# Altium PCB source.PcbDoc (part 2 of 2) (continued)
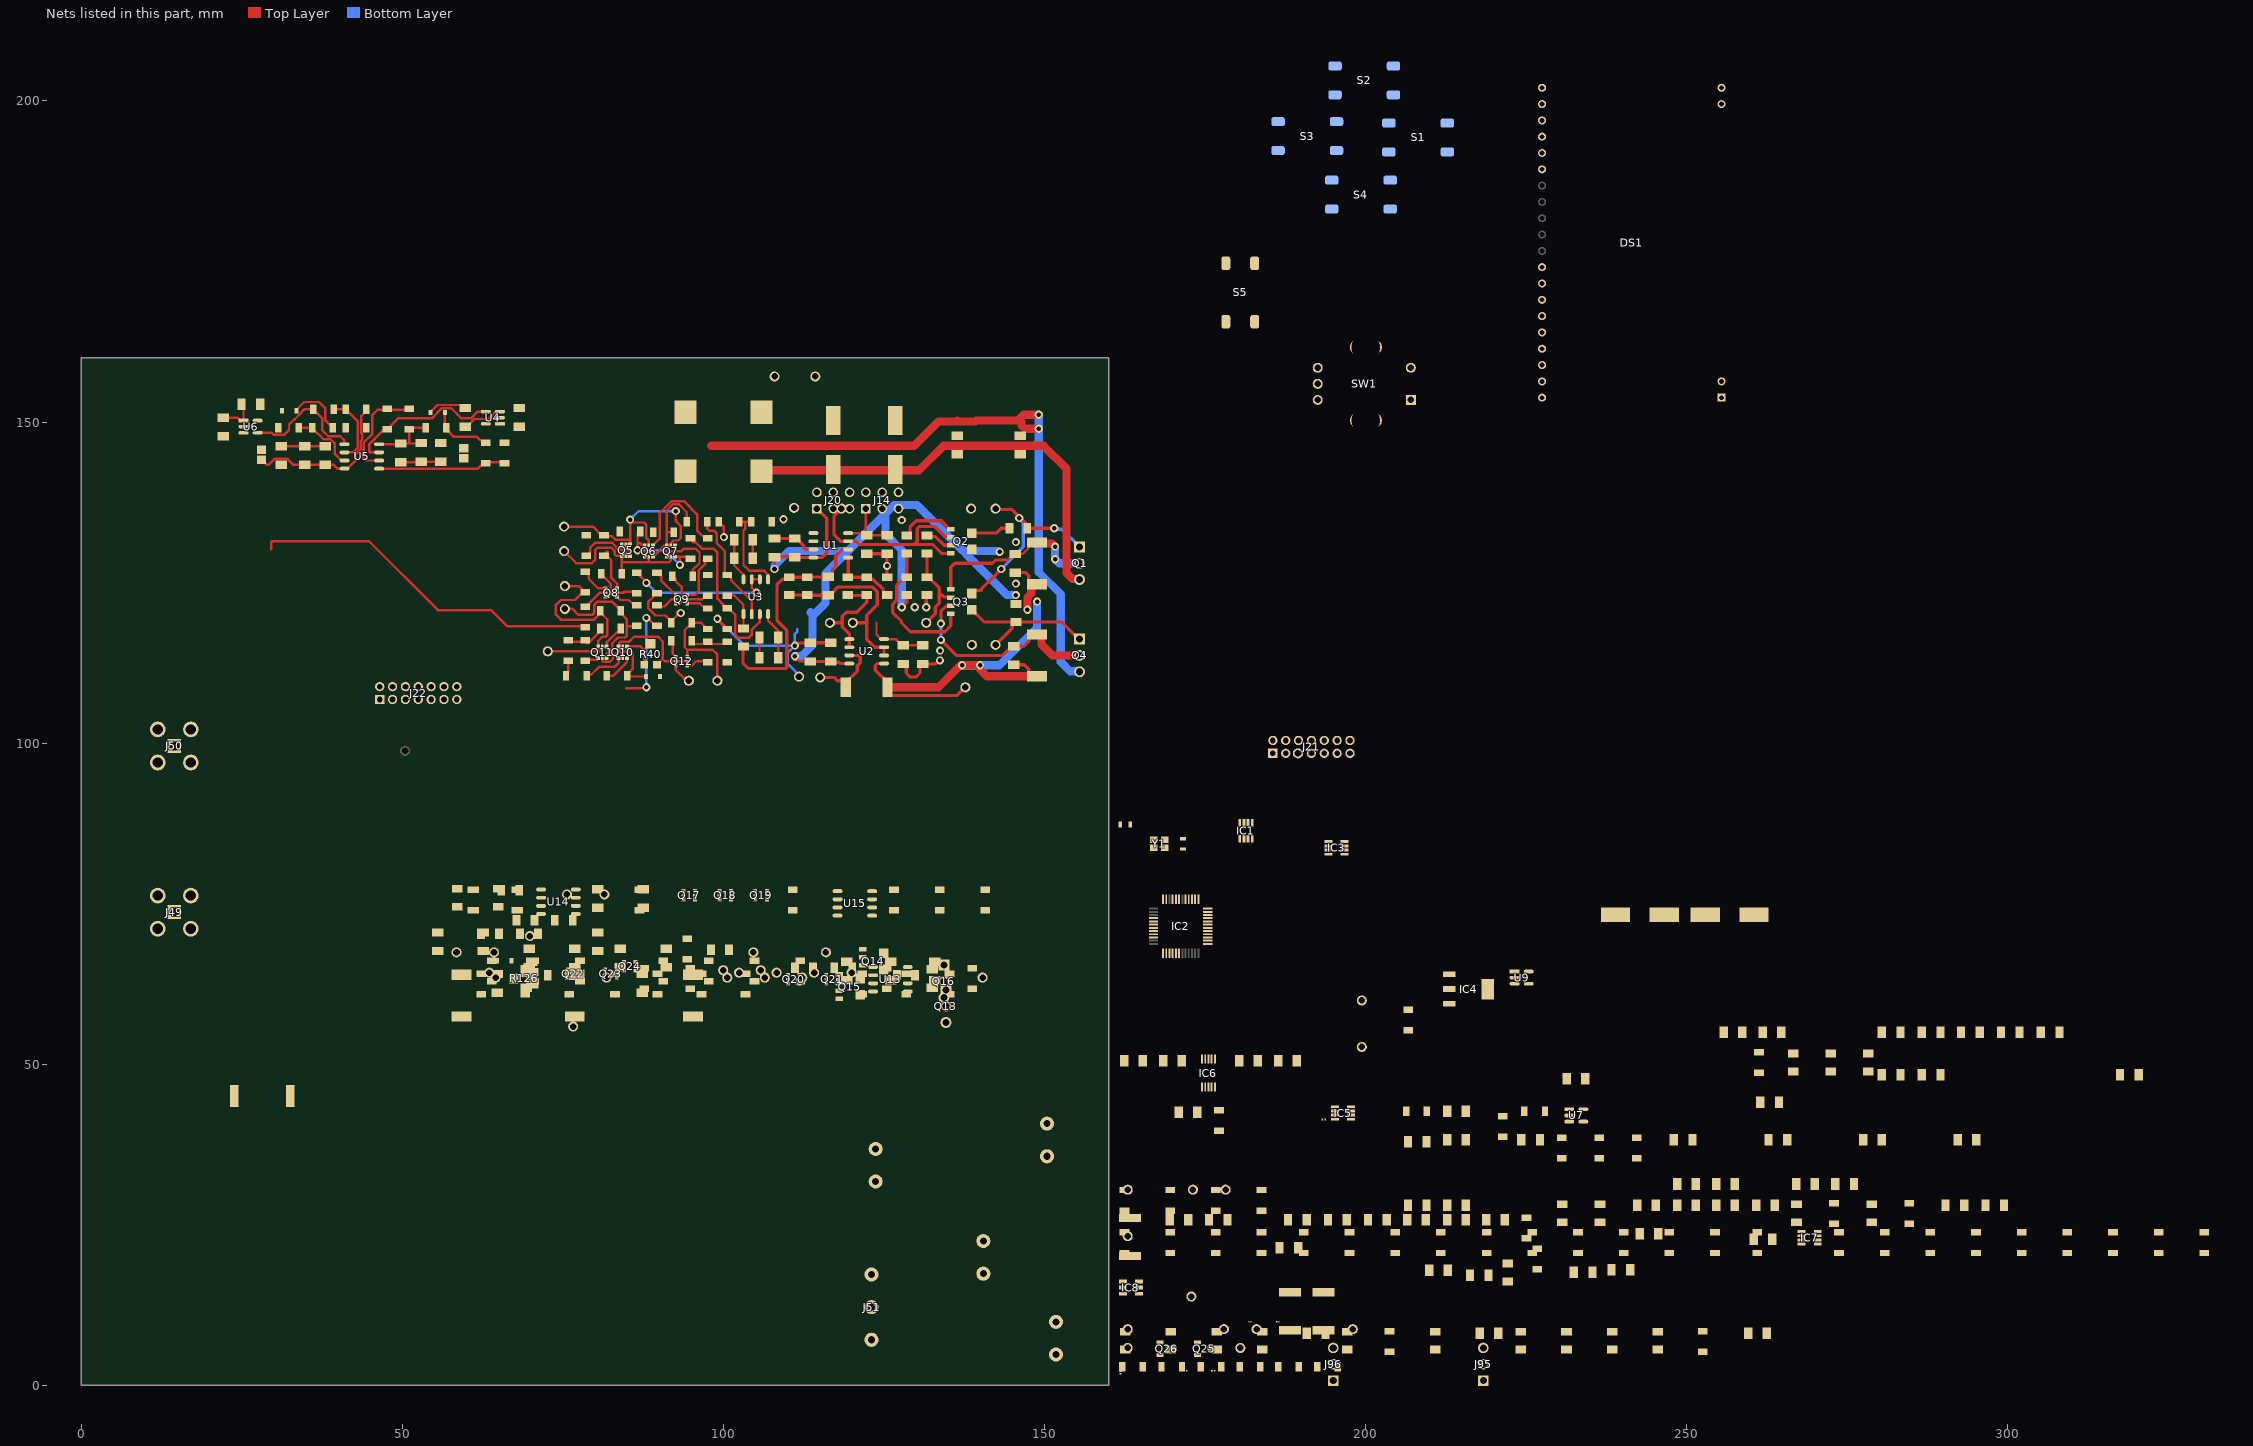
[diagram p2: the nets of this part, all layers, seen from the top]
## Part data (continued)
Q2 Q3 Q14 Q15: componentlink1description=Datasheet, componentlink1url=https://assets.nexperia.com/documents/data-sheet/PHPT610030NPK.pdf, componentlink2description=Supplier, componentlink2url=https://hr.mouser.com/ProductDetail/Nexperia/PHPT610030NPKX?qs=%252BRKXB2WKlSeoXKhT5DAScw%3D%3D

## Via types
v1: diameter 1.27, hole 0.711, Top Layer to Bottom Layer, 39 vias

## Nets (pads, with @x,y where several pads share a name; then routed paths per layer and width w, separated by ;. In a path a pad name is that pad's centre, name@x,y a point inside that pad or via, vN(x,y) a via of type N, cw(c..) or ccw(c..) an arc to the next point about the centre after c; other vN are vias at no path point)
+3.3: C40.2 C41.2 C48.2 C49.2 C86.2 DS1.34 DS1.35 IC2.4 IC2.6 IC8.3 IC8.4 R58.2 R68.1 R69.1 U7.1
GND: C3.1 C4.1 C5.2 C6.2 C8.1 C9.2 C10.2 C12.2 C13.2 C14.2 C15.2 C16.2 C17.2 C18.2 C19.2 C20.1 C21.1 C22.1 C23.2 C24.2 C25.1 C26.1 C27.1 C28.1 C29.1 C30.1 C31.1 C32.1 C33.1 C34.1 C35.1 C36.1 C37.2 C38.2 C39.1 C40.1 C41.1 C42.1 C43.1 C44.1 C45.1 C48.1 C49.1 C50.1 C51.1 C52.2 C53.1 C54.1 C55.1 C56.1 C57.1 C58.1 C60.1 C61.1 C62.1 C63.1 C64.2 C66.2 C68.2 C69.1 C70.1 C72.2 C73.2 C74.2 C75.1 C76.1 C77.1 C78.1 C79.1 C80.1 C82.2 C83.2 C84.2 C86.1 C87.2 C88.1 C102.2 C103.2 C104.2 C105.2 C107.2 C108.2 C109.2 C110.2 C111.1 C112.2 C113.2 C114.2 C115.2 D2.1 D3.2 D4.1 D5.1 D7.1 D8.1 D9.1 D10.1 DS1.26 DS1.33 IC1.4 IC2.7 IC3.4 IC4.3 IC5.4 IC6.10 IC8.1 IC8.2 J1.2 J2.2 J3.1 J11.1 J12.1 J13.1 J16.1 J49.2 J49.3 J49.4 J49.5 J50.2 J50.3 J50.4 J50.5 J51.2 J52.1 J59.1 J60.1 J62.1 J90.2 J93.2 LS1.2 Q25.1 Q26.1 R15.1 R22.2 R36.1 R59.2 R66.2 R76.2 R80.2 R82.2 R85.1 R86.1 R101.1 R108.2 R122.1 R134.2 R136.2 R139.2 R143.2 R146.2 R160.1 R162.1 R172.1 R174.1 S1.1 S1.2 S2.1 S2.2 S3.1 S3.2 S4.1 S4.2 S5.1 S5.2 SW1.1 SW1.3 SW1.4 SW1.C U1.3 U4.2 U6.1 U7.2 U9.2 U13.3 Y1.2 Y1.4 | length 81.7
  Top Layer w0.381: C28.1@22.098,150.675 24.343,150.675 24.782,150.236 U6.1@25.273,150.236 25.273,152.474 C29.1@24.966,152.781 ; C27.1@31.115,146.23 34.798,146.23 37.973,146.23 ; 49.784,143.764 52.885,143.764 52.959,143.838 C22.1@56.007,143.838 ; D2.1@54.398,151.491 54.398,151.593 55.459,152.655 59.361,152.655 C8.1@59.817,152.199 C8.1@60.067,152.199 ; C19.2@105.611,113.284 C18.2@105.611,116.459
  Top Layer w0.508: v1(99.06,119.38) 99.06,119.279 100.359,117.98 R22.2@100.584,117.98 ; C6.2@107.95,131.879 C5.2@111.125,131.879 111.375,131.879 112.522,130.732 112.522,130.429 112.776,130.175 U1.3@114.013,130.175 ; v1(111.127,115.187) 111.333,115.187 111.742,115.596 113.512,115.596 C14.2@113.538,115.623 C15.2@116.713,115.623 ; 122.301,129.487 125.476,129.487 v1(125.476,127.61) R15.1@125.476,125.86 ; C3.1@128.016,112.342 128.046,112.342 128.442,111.946 128.442,110.932 129.074,110.3 129.968,110.3 130.6,110.932 130.6,111.946 130.996,112.342 133.032,112.342 133.593,112.903 v1(133.696,112.903)
  Bottom Layer w0.381: v1(99.06,119.38) 103.253,115.187 v1(111.127,115.187) ; 111.506,117.729 111.506,117.407 111.125,117.026 111.125,116.403 111.127,116.401 v1(111.127,115.187) ; J12.1@111.76,110.363 111.76,110.598 110.045,112.313 110.045,114.106 v1(111.127,115.187)
  other v1: 145.542,124.841 145.542,131.318 109.347,134.874
LCD_\C\S\1: DS1.40 IC2.40
LCD_\R\S\T: DS1.39 IC2.41
LCD_A0: DS1.38 IC2.37
LCD_PWR: C62.2 C63.2 DS1.32 R67.2 U9.1
LCD_SCL: DS1.37 IC2.39
LCD_SI: DS1.36 IC2.38
LDO_EN: IC2.35 R66.1 U4.5 U6.3 U9.5
NetC1_1: C1.1 C2.2 J8.1 R4.1 R5.2 R7.2 R62.1 | length 77
  Top Layer w0.381: R4.1@148.094,124.766 R4.1@148.844,124.766
  Top Layer w0.508: 125.001,112.395 123.952,112.395 123.654,112.097 123.654,111.359 125.551,109.462 R5.2@125.551,108.712 125.551,107.988 126.097,107.442 136.398,107.442 J8.1@137.668,108.712 ; C2.2@144.923,111.94 C2.2@145.198,112.215 ; C1.1@145.415,126.566 147.044,126.566 147.548,126.062 147.548,125.312 R4.1@148.094,124.766 ; C2.2@145.594,111.819 C2.2@145.198,112.215 ; R7.2@148.094,110.415 147.548,110.961 147.548,111.528 146.86,112.215 C2.2@145.198,112.215
  Top Layer w1.27: R5.2@125.551,108.712 133.477,108.712 136.906,112.141 v1(139.954,112.141) 139.954,111.509 141.048,110.415 147.548,110.415 148.094,110.415 R7.2@148.844,110.415 ; v1(147.32,120.777) 147.32,122.678 147.929,123.287 147.929,124.601 R4.1@148.094,124.766
  Bottom Layer w1.27: v1(137.16,112.141) 143.002,112.141 148.844,117.983 v1(148.844,122.047)
NetC1_2: C1.2 Q1.2 Q3.1 R4.2 | length 29
  Top Layer w0.381: C1.2@145.415,129.466 146.594,129.466 147.485,130.356 147.485,130.656 147.821,130.993 R4.2@148.571,130.993
  Top Layer w0.508: Q3.1@135.409,123.952 135.409,127.381 136.044,128.016 141.859,128.016 142.367,128.524 144.223,128.524 145.165,129.466 C1.2@145.415,129.466 ; R4.2@148.12,131.266 R4.2@148.844,131.266 148.571,130.993 R4.2@148.298,130.72
  Top Layer w1.27: R4.2@148.12,131.266 R4.2@148.145,131.24 ; R4.2@148.844,131.266 149.009,131.101 151.157,131.101 v1(151.638,130.619) ; Q1.2@155.448,127.935 Q1.2@155.448,128.016
  Bottom Layer w1.27: v1(151.638,130.619) v1(151.638,128.651) 152.273,128.016 Q1.2@155.448,128.016
NetC2_1: C2.1 Q3.3 Q4.2 R7.1 | length 32.7
  Top Layer w0.508: v1(133.858,116.078) 136.271,113.665 143.499,113.665 144.948,115.115 C2.1@145.198,115.115 ; v1(133.858,118.618) 133.858,120.523 134.651,121.316 135.313,121.316 Q3.3@135.409,121.412 ; C2.1@145.198,115.152 146.827,115.152 147.548,115.873 147.548,116.369 148.094,116.915 R7.1@148.844,116.915
  Top Layer w1.27: R7.1@148.844,116.915 149.377,116.915 149.542,116.75 149.542,115.38 151.257,113.665 Q4.2@155.448,113.665
  Bottom Layer w0.508: v1(133.858,116.078) v1(133.858,118.618)
NetC7_2: C7.2 D1.2 Q10.5 R37.1 | length 9
  Top Layer w0.381: Q10.5@84.328,115.073 84.328,114.554 84.582,114.3 85.471,114.3 85.852,113.919 85.852,111.553 85.039,110.74 R37.1@85.039,110.49 85.146,110.383 D1.2@87.903,110.383
NetC11_1: C11.1 R6.1 R11.1 R12.1 U1.6 | length 38.1
  Top Layer w0.508: R6.1@103.124,115.059 103.042,114.977 103.042,112.477 103.886,111.633 109.68,111.633 109.855,111.808 109.855,117.602 108.331,119.126 108.331,124.688 109.157,125.514 109.89,125.514 R12.1@110.236,125.86 R11.1@113.03,125.86 113.055,125.885 116.557,125.885 116.978,126.306 116.978,127.079 117.475,127.576 117.475,129.159 118.461,130.145 118.883,130.145 118.913,130.175 U1.6@119.413,130.175
NetC11_2: C11.2 J23.1 R11.2 R12.2 U2.6 U2.7 | length 30.2
  Top Layer w0.508: R12.2@110.236,123.06 R11.2@113.03,123.06 113.055,123.035 C11.2@116.307,123.035 ; C11.2@116.332,123.01 C11.2@116.307,123.035 ; J23.1@120.345,118.542 J23.1@120.142,118.745 120.345,118.745 122.174,118.745 122.301,118.618 ; U2.7@124.496,114.965 124.971,114.965 U2.7@125.001,114.935 ; U2.6@125.001,113.665 U2.7@125.001,114.935 ; C11.2@116.307,123.035 116.607,123.035 117.905,124.333 123.19,124.333 123.952,123.571 123.952,121.539 122.301,119.888 122.301,118.618 ; 122.301,118.618 122.301,116.205 123.571,114.935 124.496,114.935 U2.7@125.001,114.935
NetC44_2: C44.2 IC2.10 S5.3 S5.4
NetC46_1: C46.1 R48.1 R49.2 U5.6 | length 15.9
  Top Layer w0.381: U5.6@46.388,144.018 44.45,144.018 43.942,144.526 43.942,145.512 43.98,145.551 43.98,146.787 45.339,148.146 45.339,151.13 46.104,151.895 47.625,151.895 R48.1@51.054,151.895
NetC46_2: C46.2 J79.1 R49.1 R64.1 U5.7 | length 24.3
  Top Layer w0.381: U5.7@46.388,145.288 44.969,145.288 44.831,145.426 44.831,146.526 47.4,149.095 47.625,149.095 47.85,149.095 49.324,150.569 54.598,150.569 55.396,151.367 55.396,151.387 56.194,152.185 57.62,152.185 59.237,150.569 60.663,150.569 61.727,151.633 62.992,151.633
NetC47_1: C47.1 R56.1 R57.2 U5.2 | length 11.4
  Top Layer w0.381: R57.2@39.119,152.019 41.399,152.019 41.399,151.794 43.04,150.153 43.04,145.94 42.388,145.288 U5.2@40.988,145.288
NetC47_2: C47.2 J80.1 R57.1 R65.2 U5.1 | length 19.7
  Top Layer w0.381: 27.474,148.336 29.642,148.336 29.985,147.994 31.574,147.994 32.35,148.77 32.35,149.61 33.172,150.432 33.256,150.432 34.25,151.426 34.25,151.51 34.759,152.019 36.319,152.019 36.319,151.794 37.502,150.611 37.502,148.767 38.47,147.8 40.326,147.8 40.988,147.137 U5.1@40.988,146.558
NetC51_2: C51.2 DS1.21
NetC52_1: C52.1 IC2.8 Y1.1
NetC53_2: C53.2 IC2.9 Y1.3
NetC54_2: C54.2 R29.1 R36.2 U3.5 | length 14.3
  Top Layer w0.381: R29.1@102.238,134.493 103.378,134.493 ; R36.2@104.518,134.493 103.378,134.493 ; U3.5@106.934,125.509 106.892,125.551 106.892,126.28 106.299,126.873 104.013,126.873 103.124,127.762 103.124,133.096 103.378,133.35 103.378,134.493
NetC55_2: C55.2 DS1.22
NetC56_2: C56.2 DS1.23
NetC57_2: C57.2 DS1.24
NetC58_2: C58.2 DS1.25
NetC59_1: C59.1 IC1.6 IC1.7 IC2.16
NetC59_2: C59.2 R72.2 R74.2 R75.2 R76.1
NetC64_1: C64.1 IC1.5 R75.1
NetC65_1: C65.1 IC1.1 IC1.2 IC2.13
NetC65_2: C65.2 R78.2 R79.2 R81.2 R82.1
NetC66_1: C66.1 IC1.3 R81.1
NetC67_1: C67.1 IC2.17 IC3.1 IC3.2
NetC67_2: C67.2 R83.2 R84.2 R135.2 R136.1
NetC68_1: C68.1 IC3.3 R135.1
NetC69_2: C69.2 IC2.29 J88.1 R71.2
NetC70_2: C70.2 IC2.30 J87.1 R70.2
NetC71_1: C71.1 IC2.18 IC3.6 IC3.7
NetC71_2: C71.2 R140.2 R141.2 R142.2 R143.1
NetC72_1: C72.1 IC3.5 R142.1
NetC81_1: C81.1 IC2.14 IC5.1 IC5.2
NetC81_2: C81.2 R73.2 R137.2 R138.2 R139.1
NetC83_1: C83.1 IC5.3 R73.1
NetC85_1: C85.1 IC2.15 IC5.6 IC5.7
NetC85_2: C85.2 R77.2 R144.2 R145.2 R146.1
NetC87_1: C87.1 IC5.5 R77.1
NetC100_1: C100.1 C101.2 J56.1 R90.1 R91.2 R93.2 R149.1
NetC100_2: C100.2 Q13.2 Q15.1 R90.2
NetC101_1: C101.1 Q15.3 Q16.2 R93.1
NetC106_1: C106.1 R92.1 R97.1 R98.1 U13.6
NetC106_2: C106.2 J68.1 R97.2 R98.2 U14.6 U14.7
NetC111_2: C111.2 R115.1 R122.2 U15.5
NetC116_2: C116.2 D6.2 Q22.5 R123.1
NetD2_2: D2.2 R50.2 R51.2 | length 9.9
  Top Layer w0.381: D2.2@56.623,151.491 56.623,149.117 56.642,149.098 56.642,148.873 57.052,148.464 57.276,148.464 58.039,147.701 61.627,147.701 62.767,146.561 R51.2@62.992,146.561
NetD3_1: D3.1 R53.2 R55.1 | length 9
  Top Layer w0.381: D3.1@33.486,151.785 33.486,151.887 34.722,153.123 37.035,153.123 37.972,152.186 37.972,150.343 38.992,149.323 R53.2@38.992,149.098
NetD4_2: D4.2 J49.1 J89.1 J95.2 R85.2
NetD5_2: D5.2 J50.1 J92.1 J96.2 R86.2
NetD7_2: D7.2 J90.1 J91.1 R145.1
NetD8_2: D8.2 J93.1 J94.1 R141.1
NetD9_2: D9.2 J1.1 J9.1 R5.1 R63.1 | length 11.6
  Top Layer w0.508: J9.1@115.062,110.236 117.221,110.236 117.729,109.728 118.505,109.728 R5.1@118.911,109.322 ; R5.1@119.051,108.712 119.051,109.462 120.822,111.233 120.822,112.069 121.285,112.532 121.285,113.367 120.987,113.665 119.601,113.665
NetD10_2: D10.2 J2.1 J57.1 R91.1 R150.1
NetDS1_2: DS1.2 DS1.19
NetDS1_20: DS1.20 IC4.4
NetIC2_25: IC2.25 S1.3 S1.4
NetIC2_26: IC2.26 S2.3 S2.4
NetIC2_27: IC2.27 S4.3 S4.4
NetIC2_28: IC2.28 S3.3 S3.4
NetIC2_31: IC2.31 SW1.2
NetIC2_32: IC2.32 IC6.4
NetIC2_33: IC2.33 IC6.5
NetIC2_34: IC2.34 IC4.1
NetIC2_36: IC2.36 LS1.1
NetIC2_43: IC2.43 IC2.44 IC2.45
NetIC2_47: IC2.47 IC6.2
NetIC2_48: IC2.48 IC6.3
NetIC4_2: IC4.2 R134.1
NetIC6_6: IC6.6 R28.1 | length 55.5
  Top Layer w0.381: 29.594,130.175 29.594,131.279 29.732,131.417 44.851,131.417 55.534,120.733 63.798,120.733 66.297,118.234 R28.1@78.486,118.234
NetIC6_7: IC6.7 R27.1 | length 16.2
  Top Layer w0.381: 84.836,108.585 87.884,108.585 v1(88.011,108.712) ; v1(88.011,119.507) 88.193,119.507 89.412,118.288 R27.1@89.662,118.288
  Bottom Layer w0.381: v1(88.011,108.712) v1(88.011,119.507)
NetIC6_8: IC6.8 R114.1
NetIC6_9: IC6.9 R113.1
NetIC7_1: IC7.1 J14.3 R151.1
NetIC7_2: IC7.2 R151.2 R159.1
NetIC7_3: IC7.3 R161.1 R162.2
NetIC7_5: IC7.5 R173.1 R174.2
NetIC7_6: IC7.6 R163.2 R171.1
NetIC7_7: IC7.7 J20.3 R163.1
NetJ4_1: J4.1 Q3.2 R1.1 R3.2 | length 14.7
  Top Layer w0.508: J4.1@131.572,118.745 132.969,120.142 132.969,121.158 133.604,121.793 133.604,123.444 ; R3.2@131.699,129.537 R1.1@131.699,125.86 131.924,125.86 133.604,124.18 133.604,123.444 ; Q3.2@135.409,122.682 135.313,122.778 134.27,122.778 133.604,123.444
NetJ5_1: J5.1 Q1.1 Q3.7_8 R2.1 | length 32.7
  Top Layer w0.508: Q3.7_8@138.684,123.317 139.161,123.794 140.176,123.794 140.176,124.047 142.004,125.875 v1(143.256,127.127) ; J5.1@142.367,136.525 142.494,136.398 144.907,136.398 v1@146.144,135.161 ; v1(146.047,135.064) v1@146.144,135.161 ; v1(151.511,133.477) R2.1@147.323,133.477 146.977,133.823 146.977,134.328 v1@146.144,135.161 ; Q1.1@154.852,131.152 Q1.1@155.448,130.556
  Bottom Layer w0.508: v1(143.256,127.127) 146.685,130.556 146.685,134.319 146.047,134.957 v1(146.047,135.064) ; v1(151.511,133.477) 151.657,133.331 152.673,133.331 Q1.1@155.448,130.556
NetJ6_1: J6.1 Q2.2 Q2.4 U1.7 | length 32.7
  Top Layer w0.508: J6.1@118.364,136.525 117.469,135.63 117.221,135.382 117.221,132.461 118.237,131.445 U1.7@119.413,131.445 120.65,131.445 121.158,130.937 129.667,130.937 ; Q2.4@135.409,129.54 133.985,129.54 132.588,130.937 129.667,130.937 ; Q2.2@135.409,132.08 135.313,132.176 134.524,132.176 132.969,133.731 130.473,133.731 130.175,133.433 130.175,131.445 129.667,130.937
NetJ10_1: J10.1 J14.2 J14.4 J14.6 R6.2 | length 6.9
  Top Layer w0.381: 100.584,123.187 100.659,123.112 101.551,123.112 103.104,121.559 103.104,120.129 103.124,120.109 R6.2@103.124,117.859
NetJ14_1: J14.1 R21.1 U3.1
NetJ17_1: J17.1 Q3.4 R8.1 R9.2 | length 23.2
  Top Layer w0.508: R8.1@128.524,129.54 128.299,129.54 128.524,129.315 R9.2@128.524,125.86 128.299,125.86 127,124.561 127,122.301 126.365,121.666 126.365,120.336 127.723,118.978 127.723,118.745 129.12,117.348 134.493,117.348 135.409,118.264 Q3.4@135.409,120.142
NetJ18_1: J18.1 Q3.5_6 Q4.1 R10.2 | length 23.4
  Top Layer w0.508: Q3.5_6@138.684,120.777 140.589,118.872 R10.2@145.288,118.872 ; J18.1@142.367,115.316 144.971,117.92 144.971,118.555 R10.2@145.288,118.872 ; Q4.1@155.448,116.205 154.852,116.801 154.725,116.801 152.657,118.869 R10.2@145.542,118.869 145.545,118.872 R10.2@145.288,118.872
NetJ20_1: J20.1 R107.1 U15.1
NetJ20_2: J20.2 J20.4 J20.6 J58.1 R92.2
NetJ21_1: J21.1 R152.2
NetJ21_3: J21.3 R153.2
NetJ21_5: J21.5 R154.2
NetJ21_7: J21.7 R155.2
NetJ21_9: J21.9 R156.2
NetJ21_11: J21.11 R157.2
NetJ21_13: J21.13 R158.2
NetJ22_1: J22.1 R164.2
NetJ22_3: J22.3 R165.2
NetJ22_5: J22.5 R166.2
NetJ22_7: J22.7 R167.2
NetJ22_9: J22.9 R168.2
NetJ22_11: J22.11 R169.2
NetJ22_13: J22.13 R170.2
NetJ24_1: J24.1 R13.2 R14.2 R138.1 U2.1 U2.2 | length 16.1
  Top Layer w0.508: J24.1@116.586,118.745 118.364,118.745 118.491,118.618 ; R14.2@119.38,123.06 119.443,122.997 122.099,122.997 122.162,123.06 R13.2@122.301,123.06 122.301,121.952 120.745,120.396 119.126,120.396 118.491,119.761 118.491,118.618 ; U2.2@119.601,114.935 U2.1@119.601,116.205 119.632,116.236 119.632,116.969 118.491,118.11 118.491,118.618
NetJ29_1: J29.1 Q5.1 Q6.5 Q7.2 R23.2 | length 35.4
  Top Layer w0.381: J29.1@75.184,133.731 79.661,133.731 81.182,132.21 82.674,132.21 83.185,131.699 85.471,131.699 ; Q5.1@85.471,130.937 85.471,131.699 ; v1(85.471,134.81) v1@85.471,134.366 ; Q6.5@88.392,130.821 88.392,131.572 88.011,131.953 88.011,133.985 87.63,134.366 v1@85.471,134.366 ; Q7.2@91.821,130.821 91.83,130.831 91.83,131.176 92.219,131.564 92.956,131.564 93.345,131.953 93.345,133.819 92.583,134.581 v1(92.583,136.144) ; 85.471,131.699 v1@85.471,134.366
  Bottom Layer w0.381: v1(85.471,134.81) 86.804,136.144 v1(92.583,136.144)
NetJ30_1: J30.1 Q5.4 Q6.2 Q7.5 R24.2 | length 24.8
  Top Layer w0.381: J30.1@75.184,129.921 77.089,128.016 79.502,128.016 80.01,128.524 80.01,130.048 80.391,130.429 82.55,130.429 83.058,129.921 83.058,129.413 83.312,129.159 84.149,129.159 Q5.4@84.171,129.137 84.171,128.143 ; R24.2@83.95,126.14 83.95,126.365 84.171,126.586 84.171,128.143 ; Q6.2@88.392,129.021 88.392,128.143 ; Q7.5@91.821,129.021 91.812,129.012 91.812,128.457 91.497,128.143 88.392,128.143 ; 84.171,128.143 88.392,128.143
NetJ31_1: J31.1 Q11.6 R32.1 R38.2 | length 25.4
  Top Layer w0.381: J31.1@74.803,124.46 J31.1@75.311,124.46 77.496,124.46 R32.1@78.261,123.695 ; R32.1@78.411,123.62 78.486,123.695 R32.1@78.261,123.695 ; Q11.6@80.503,115.073 80.503,115.167 80.518,115.182 80.518,115.951 81.153,116.586 81.661,116.586 81.915,116.84 81.915,119.308 81.023,120.2 81.023,120.425 80.911,120.313 79.851,119.253 74.687,119.253 73.914,120.026 73.914,121.539 74.676,122.301 76.867,122.301 R32.1@78.261,123.695
NetJ32_1: J32.1 Q11.3 R33.1 R38.1 | length 22.3
  Top Layer w0.381: J32.1@75.311,120.904 76.486,120.904 77.375,120.015 79.629,120.015 79.867,120.253 79.867,121.523 80.391,122.047 82.651,122.047 83.823,120.875 83.823,120.425 84.963,119.285 84.963,118.19 ; Q11.3@81.803,113.273 81.803,113.934 82.677,114.808 82.677,115.57 83.566,116.459 84.709,116.459 84.963,116.713 84.963,118.19 ; R33.1@86.233,118.234 85.007,118.234 84.963,118.19
NetJ33_1: J33.1 Q12.6 R34.1 R39.2 | length 13.2
  Top Layer w0.381: R34.1@89.662,123.368 89.412,123.368 89.102,123.058 89.102,122.808 88.265,121.971 88.265,121.042 89.419,119.888 90.979,119.888 R39.2@91.872,118.995 ; R39.2@91.872,118.745 R39.2@91.872,118.995 ; Q12.6@92.572,112.126 92.572,111.39 93.907,110.055 93.966,110.055 94.293,109.728 J33.1@94.615,109.728 ; v1(93.345,120.269) 93.146,120.269 R39.2@91.872,118.995
NetJ34_1: J34.1 Q12.3 R35.1 R39.1 | length 17.9
  Top Layer w0.381: Q12.3@94.372,113.426 94.372,114.543 94.361,114.554 ; R35.1@97.536,117.977 97.311,117.977 96.543,118.745 94.872,118.745 94.872,118.52 93.98,117.628 93.98,114.935 94.361,114.554 ; J34.1@99.06,109.728 99.06,113.792 98.298,114.554 94.361,114.554
NetJ36_1: J36.1 Q10.2 Q10.6 Q11.2 Q11.5 Q12.2 Q12.5 R40.3 | length 31.3
  Top Layer w0.381: J36.1@72.644,114.3 80.899,114.3 81.168,114.569 81.168,114.658 81.162,114.663 81.162,115.063 Q11.5@81.153,115.073 ; Q11.2@81.153,113.273 81.162,113.263 81.162,112.792 81.306,112.649 82.296,112.649 82.867,113.221 82.867,113.602 83.693,114.427 ; Q10.6@83.678,115.073 Q10.6@83.693,115.088 ; Q10.2@84.328,113.273 84.328,113.792 83.693,114.427 ; R40.3@89.646,112.219 90.551,113.124 ; Q12.2@94.372,112.776 Q12.5@92.572,112.776 90.899,112.776 90.551,113.124 ; 83.693,114.427 Q10.6@83.693,115.088 ; Q10.6@83.693,115.088 83.775,115.17 83.775,115.652 83.947,115.824 85.344,115.824 86.106,116.586 89.789,116.586 90.551,115.824 90.551,113.124
NetJ51_1: J51.1 Q25.3
NetJ51_3: J51.3 Q26.3
NetJ53_1: J53.1 Q15.2 R87.1 R89.2
NetJ54_1: J54.1 Q13.1 Q15.7_8 R88.1
NetJ55_1: J55.1 Q14.2 Q14.4 U13.7
NetJ63_1: J63.1 Q15.4 R94.1 R95.2
NetJ64_1: J64.1 Q15.5_6 Q16.1 R96.2
NetJ69_1: J69.1 R84.1 R99.2 R100.2 U14.1 U14.2
NetJ72_1: J72.1 Q17.1 Q18.5 Q19.2 R109.2
NetJ73_1: J73.1 Q17.4 Q18.2 Q19.5 R110.2
NetJ74_1: J74.1 Q22.6 R118.1 R124.2
NetJ75_1: J75.1 Q23.3 R119.1 R124.1
NetJ76_1: J76.1 Q23.6 R120.1 R125.2
NetJ77_1: J77.1 Q24.3 R121.1 R125.1
NetJ78_1: J78.1 Q22.2 Q23.2 Q23.5 Q24.2 Q24.5 Q24.6 R126.3
NetJ95_1: J95.1 R61.2
NetJ95_3: J95.3 R79.1
NetJ96_1: J96.1 R148.2
NetJ96_3: J96.3 R74.1
NetL2_1: L2.1 Q25.2
NetL3_2: L3.2 Q26.2
NetQ2_1: Q2.1 R8.2 | length 8.9
  Top Layer w0.508: R8.2@128.524,132.34 128.686,132.34 129.032,132.686 129.032,133.604 130.048,134.62 133.914,134.62 135.088,133.446 135.313,133.446 Q2.1@135.409,133.35
NetQ2_3: Q2.3 R3.1 | length 4.3
  Top Layer w0.508: R3.1@131.699,132.337 131.848,132.188 132.988,132.188 134.366,130.81 Q2.3@135.409,130.81
NetQ5_2: Q5.2 Q5.3 Q5.5 Q5.6 R16.1 | length 12.1
  Top Layer w0.381: R16.1@78.613,129.41 78.838,129.41 79.247,129.82 79.247,129.957 79.248,130.429 80.01,131.191 82.677,131.191 83.312,130.556 83.312,130.429 83.693,130.048 84.328,130.048 ; Q5.3@84.171,130.937 84.171,130.205 84.328,130.048 ; Q5.5@84.821,129.137 84.821,130.037 ; Q5.2@84.821,130.937 84.821,130.037 ; Q5.6@85.471,129.137 85.471,129.868 85.302,130.037 84.821,130.037 ; 84.328,130.048 84.81,130.048 84.821,130.037
NetQ6_1: Q6.1 Q6.4 R25.2 | length 20.5
  Top Layer w0.381: Q6.1@87.742,129.021 87.742,129.652 88.011,129.921 88.646,129.921 89.042,130.317 Q6.4@89.042,130.821 90.047,131.826 90.047,135.799 91.941,137.693 93.828,137.693 95.885,135.636 95.885,133.128 97.311,131.702 97.536,131.702 R25.2@97.536,131.902
NetQ6_3: Q6.3 Q7.3 R18.1 R20.2 | length 15
  Top Layer w0.381: Q6.3@89.042,129.021 90.733,130.712 91.062,130.712 Q7.3@91.171,130.821 91.186,130.836 91.186,132.715 ; R18.1@92.278,132.842 91.313,132.842 91.186,132.715 ; R20.2@94.285,134.493 94.285,135.969 93.03,137.224 92.136,137.224 91.186,136.274 91.186,132.715
NetQ6_6: Q6.6 Q7.6 R17.1 R19.2 | length 15.5
  Top Layer w0.381: v1(86.614,130.048) 86.614,131.127 ; R17.1@86.871,132.969 86.614,132.712 86.614,131.127 ; Q6.6@87.742,130.821 87.632,130.93 87.258,130.93 87.061,131.127 86.614,131.127 ; Q7.6@92.471,129.021 93.218,129.021 ; v1(93.218,127.762) 93.218,129.021 ; R19.2@94.869,128.902 94.75,129.021 93.218,129.021
  Bottom Layer w0.381: v1(86.614,130.048) 90.932,130.048 v1(93.218,127.762)
NetQ7_1: Q7.1 Q7.4 R26.2 | length 11.3
  Top Layer w0.381: Q7.4@91.171,129.021 91.186,129.036 91.186,129.6 91.507,129.921 92.489,129.921 ; Q7.1@92.471,130.821 92.471,129.939 92.489,129.921 ; R26.2@94.999,125.984 95.201,126.186 95.201,126.951 96.266,128.016 96.266,129.667 95.631,130.302 93.853,130.302 93.472,129.921 92.489,129.921
NetQ8_1: Q8.1 R32.2 | length 4.4
  Top Layer w0.381: R32.2@78.486,126.495 78.584,126.495 78.994,126.085 78.994,125.603 80.503,124.094 Q8.1@81.65,124.094
NetQ8_2: Q8.2 R28.2 | length 4.4
  Top Layer w0.381: R28.2@78.486,121.034 78.711,121.034 79.12,121.444 79.12,121.786 79.248,121.913 79.248,121.92 80.772,123.444 Q8.2@81.65,123.444
NetQ8_3: Q8.3 R24.1 | length 4.7
  Top Layer w0.381: R24.1@81.15,126.365 81.15,126.14 82.423,124.867 82.423,123.16 82.092,122.829 81.685,122.829 Q8.3@81.65,122.794
NetQ8_4: Q8.4 R33.2 | length 3.7
  Top Layer w0.381: Q8.4@83.45,122.794 83.943,122.301 85.249,122.301 86.262,121.288 R33.2@86.487,121.288
NetQ8_5: Q8.5 R30.2 | length 3.1
  Top Layer w0.381: Q8.5@83.45,123.444 84.449,123.444 84.573,123.568 R30.2@86.487,123.568
NetQ8_6: Q8.6 R23.1 | length 7
  Top Layer w0.381: R23.1@81.182,129.41 81.407,129.41 81.632,129.41 82.55,128.492 82.55,125.73 83.45,124.83 Q8.6@83.45,124.094 ; R23.1@81.612,129.615 81.791,129.794 82.016,129.794
NetQ9_1: Q9.1 R34.2 | length 4.6
  Top Layer w0.381: R34.2@89.662,126.368 89.887,126.368 90.296,125.958 90.296,125.354 Q9.1@92.572,123.078
NetQ9_2: Q9.2 R27.2 | length 3.4
  Top Layer w0.381: R27.2@89.662,121.288 90.81,121.288 91.95,122.428 Q9.2@92.572,122.428
NetQ9_3: Q9.3 R26.1 | length 5.5
  Top Layer w0.381: R26.1@92.199,125.984 92.609,125.574 92.609,125.196 93.472,124.333 93.472,122.047 93.203,121.778 Q9.3@92.572,121.778
NetQ9_4: Q9.4 R35.2 | length 3.6
  Top Layer w0.381: Q9.4@94.372,121.778 96.31,121.778 97.311,120.777 R35.2@97.536,120.777
NetQ9_5: Q9.5 R31.2 | length 3.5
  Top Layer w0.381: Q9.5@94.372,122.428 96.679,122.428 97.438,123.187 R31.2@97.536,123.187
NetQ9_6: Q9.6 R25.1 | length 8.7
  Top Layer w0.381: Q9.6@94.372,123.078 95.616,123.078 96.139,123.601 96.139,126.873 97.155,127.889 97.155,128.521 97.536,128.902 97.311,128.902 R25.1@96.902,128.492
NetQ10_1: Q10.1 R45.2 | length 6.6
  Top Layer w0.381: R45.2@78.689,110.49 78.939,110.74 79.502,110.74 80.649,111.887 83.058,111.887 83.678,112.507 Q10.1@83.678,113.273
NetQ10_4: Q10.4 R40.1 R40.2 | length 6.6
  Top Layer w0.381: Q10.4@84.978,115.073 87.092,115.073 87.646,114.519 ; R40.1@87.646,112.219 87.646,114.519 ; R40.2@88.646,115.469 88.596,115.469 87.646,114.519
NetQ11_1: Q11.1 R41.2 | length 2.1
  Top Layer w0.381: R41.2@78.486,113.027 80.257,113.027 Q11.1@80.503,113.273
NetQ11_4: Q11.4 R42.2 | length 3.8
  Top Layer w0.381: Q11.4@81.803,115.073 81.803,115.167 81.818,115.182 81.818,115.651 83.463,117.296 83.713,117.296 84.023,117.606 R42.2@84.023,117.856
NetQ12_1: Q12.1 R43.2 | length 3.4
  Top Layer w0.381: Q12.1@94.372,112.126 95.114,112.126 95.761,112.773 R43.2@97.536,112.773
NetQ12_4: Q12.4 R44.2 | length 2.7
  Top Layer w0.381: R44.2@92.072,115.951 92.075,115.948 92.075,113.923 Q12.4@92.572,113.426
NetQ14_1: Q14.1 R94.2
NetQ14_3: Q14.3 R89.1
NetQ17_2: Q17.2 Q17.3 Q17.5 Q17.6 R102.1
NetQ18_1: Q18.1 Q18.4 R111.2
NetQ18_3: Q18.3 Q19.3 R104.1 R106.2
NetQ18_6: Q18.6 Q19.6 R103.1 R105.2
NetQ19_1: Q19.1 Q19.4 R112.2
NetQ20_1: Q20.1 R118.2
NetQ20_2: Q20.2 R114.2
NetQ20_3: Q20.3 R110.1
NetQ20_4: Q20.4 R119.2
NetQ20_5: Q20.5 R116.2
NetQ20_6: Q20.6 R109.1
NetQ21_1: Q21.1 R120.2
NetQ21_2: Q21.2 R113.2
NetQ21_3: Q21.3 R112.1
NetQ21_4: Q21.4 R121.2
NetQ21_5: Q21.5 R117.2
NetQ21_6: Q21.6 R111.1
NetQ22_1: Q22.1 R127.2
NetQ22_4: Q22.4 R126.1 R126.2
NetQ23_1: Q23.1 R129.2
NetQ23_4: Q23.4 R128.2
NetQ24_1: Q24.1 R131.2
NetQ24_4: Q24.4 R130.2
NetR13_1: R13.1 R14.1 R15.2 U1.5 | length 10.6
  Top Layer w0.508: U1.5@119.413,128.905 119.413,125.893 R14.1@119.38,125.86 R13.1@122.301,125.86 122.647,125.514 123.279,125.514 124.925,123.868 124.925,123.406 125.271,123.06 R15.2@125.476,123.06
NetR19_1: R19.1 R22.1 U3.3 | length 26
  Top Layer w0.381: R19.1@94.869,131.702 95.279,131.292 95.657,131.292 96.647,130.302 98.425,130.302 99.06,129.667 99.06,122.504 100.024,121.54 100.024,121.29 100.334,120.98 R22.1@100.584,120.98 100.834,120.98 101.854,119.96 101.854,116.84 102.246,116.448 104.002,116.448 104.394,116.84 104.394,117.602 105.622,118.83 105.622,120.067 U3.3@105.664,120.109
NetR20_1: R20.1 R21.2 U3.2 | length 17.9
  Top Layer w0.381: R20.1@97.285,134.493 97.285,134.366 97.487,134.164 97.487,133.399 97.79,133.096 98.552,133.096 98.933,132.715 98.933,131.191 100.203,129.921 100.203,126.368 100.584,125.987 100.809,125.987 101.218,125.577 101.218,125.35 104.394,122.174 U3.2@104.394,120.109
NetR41_1: R41.1 R42.1 R46.2 | length 6.8
  Top Layer w0.381: R46.2@75.819,115.827 R41.1@78.486,115.827 ; R42.1@81.023,117.856 81.023,117.631 79.092,115.7 78.965,115.573 78.74,115.573 78.598,115.715 R41.1@78.486,115.827 ; R41.1@78.486,115.827 78.711,115.827 R41.1@78.486,115.827
NetR43_1: R43.1 R44.1 R47.2 | length 6.8
  Top Layer w0.381: R47.2@100.584,115.573 100.457,115.446 97.663,115.446 97.536,115.573 97.409,115.446 R44.1@95.282,115.446 ; R44.1@94.872,115.856 R44.1@95.282,115.446 ; R44.1@94.872,115.856 94.872,115.951 R44.1@94.872,115.856 ; R44.1@94.872,115.856 R44.1@95.282,115.446
NetR51_1: R51.1 R52.2 U5.5 | length 19.9
  Top Layer w0.381: U5.5@46.388,142.748 61.754,142.748 62.767,143.761 62.992,143.761 R52.2@65.913,143.761
NetR53_1: R53.1 R54.2 U5.3 | length 10.5
  Top Layer w0.381: R54.2@33.658,149.098 36.192,149.098 36.192,148.873 37.735,147.33 38.818,147.33 39.451,146.697 39.451,145.08 40.513,144.018 U5.3@40.988,144.018
NetR58_1: R58.1 R59.1 U7.4
NetR60_1: R60.1 R61.1 U1.2
NetR62_2: R62.2 U2.5
NetR63_2: R63.2 U2.3
NetR64_2: R64.2 U4.4
NetR65_1: R65.1 U6.4
NetR67_1: R67.1 R80.1 U9.4
NetR68_2: R68.2 R70.1 SW1.A
NetR69_2: R69.2 R71.1 SW1.B
NetR99_1: R99.1 R100.1 R101.2 U13.5
NetR105_1: R105.1 R108.1 U15.3
NetR106_1: R106.1 R107.2 U15.2
NetR127_1: R127.1 R128.1 R132.2
NetR129_1: R129.1 R130.1 R133.2
NetR147_1: R147.1 R148.1 U13.2
NetR149_2: R149.2 U14.5
NetR150_2: R150.2 U14.3
NetR152_1: R152.1 R153.1 R154.1 R155.1 R156.1 R157.1 R158.1 R159.2 R160.2
NetR164_1: R164.1 R165.1 R166.1 R167.1 R168.1 R169.1 R170.1 R171.2 R172.2
signal_A_bypass_inv: J14.5 R60.2 U1.1
signal_B_bypass_inv: J20.5 R147.2 U13.1
Vbias: R161.2 R173.2
Vbias_A: R30.1 R31.1 U3.6 U3.7 | length 23.6
  Top Layer w0.381: R30.1@86.487,126.368 86.712,126.368 88.011,125.069 v1(88.011,124.968) ; v1(105.156,123.444) 104.394,124.206 U3.7@104.394,125.509 U3.6@105.664,125.509
  Bottom Layer w0.381: v1(88.011,124.968) 89.535,123.444 v1(105.156,123.444)
Vbias_B: R116.1 R117.1 U15.6 U15.7
VCC: C8.2 C22.2 C23.1 C24.1 C25.2 C26.2 C42.2 C43.2 C60.2 C61.2 DS1.1 J97.1 L1.1 L2.2 Q1.3 Q2.7_8 Q13.3 Q14.7_8 R1.2 R2.2 R87.2 R88.2 U4.3 U7.3 U7.5 U9.3 | length 85.1
  Top Layer w0.381: L1.1@59.512,145.923 L1.1@59.563,145.923 ; C8.2@59.817,149.299 60.067,149.299 61.249,150.481 63.397,150.481 64.512,151.596 65.156,151.596 U4.3@65.193,151.633
  Top Layer w0.508: v1(131.572,121.158) 131.572,122.933 R1.2@131.699,123.06 ; Q2.7_8@138.684,132.715 142.494,132.715 143.256,133.477 R2.2@144.523,133.477
  Top Layer w1.27: L2.2@105.918,142.339 106.083,142.504 112.278,142.504 ; 112.268,142.494 112.278,142.504 ; C23.1@126.746,141.506 126.746,142.504 130.439,142.504 134.239,146.304 149.86,146.304 153.416,142.748 153.416,126.492 154.35,125.558 155.366,125.558 Q1.3@155.448,125.476 ; C23.1@126.746,142.631 126.619,142.504 117.221,142.504 C24.1@117.094,142.631 116.967,142.504 112.278,142.504 ; R2.2@144.523,133.477 R2.2@144.523,133.632
  other v1: 133.731,114.427 127.762,134.747
VCC_filtered: C9.1 C10.1 C29.2 L1.2 R48.2 R50.1 U5.8 | length 11.9
  Top Layer w0.381: U5.8@46.388,146.558 49.678,146.558 49.784,146.664 50.963,146.664 ; 52.959,146.738 52.885,146.664 50.963,146.664 ; R50.1@53.842,149.098 53.839,149.095 51.054,149.095 51.054,146.755 50.963,146.664
VCC_LDO_OUT: C3.2 C4.2 C12.1 C13.1 C16.1 C17.1 C27.2 C28.2 C73.1 C74.1 C102.1 C103.1 C107.1 C108.1 C112.1 C113.1 IC7.8 J7.1 Q10.3 Q22.3 R16.2 R17.2 R18.2 R37.2 R52.1 R102.2 R103.2 R104.2 R123.2 U1.8 U2.8 U3.8 U4.1 U13.8 U14.8 U15.8 | length 35
  Top Layer w0.381: R37.2@81.839,110.49 82.804,110.49 84.978,112.664 Q10.3@84.978,113.273 ; 101.674,131.699 101.674,127.688 103.082,126.28 103.082,125.551 U3.8@103.124,125.509 ; C16.1@104.574,128.778 C17.1@104.574,131.699 104.574,131.747 C17.1@105.034,132.207 ; U1.8@119.413,132.715 121.973,132.715 122.174,132.514 ; 122.174,136.525 122.174,132.514 ; 123.825,118.745 123.825,116.906 124.526,116.205 U2.8@125.001,116.205 126.803,116.205 127.766,115.242 C3.2@128.016,115.242 C4.2@131.064,115.242 ; 125.476,132.387 122.301,132.387 122.174,132.514
VDD: C31.2 C32.2 C35.2 C36.2 C37.1 C38.1 J19.1 J98.1 L3.1 L4.1 Q2.5_6 Q4.3 Q14.5_6 Q16.3 R9.1 R10.1 R95.1 R96.1 U6.2
VDD_filtered: C20.2 C21.2 C30.2 L4.2 R55.2 R56.2 U5.4 | length 25.4
  Top Layer w0.381: L4.2@28.067,144.131 28.118,144.131 28.919,143.33 29.17,143.33 30.099,144.259 32.131,144.259 33.06,143.33 37.973,143.33 39.296,143.33 39.878,142.748 U5.4@40.988,142.748 41.463,142.748 42.647,143.932 42.647,144.882 43.51,145.745 43.51,146.981 43.789,147.261 43.789,148.062 43.62,148.232 43.62,150.99 44.399,151.769 R56.2@44.399,152.019
VDD_LDO_OUT: C5.1 C6.1 C7.1 C14.1 C15.1 C18.1 C19.1 C33.2 C34.2 C82.1 C84.1 C104.1 C105.1 C109.1 C110.1 C114.1 C115.1 C116.1 D1.1 D6.1 IC7.4 J81.1 R45.1 R46.1 R47.1 R54.1 R131.1 R132.1 R133.1 U1.4 U2.4 U3.4 U6.5 U13.4 U14.4 U15.4 | length 229.4
  Top Layer w0.381: R45.1@75.489,110.49 75.489,110.74 75.819,111.07 R46.1@75.819,112.827 ; U3.4@106.934,120.109 106.934,119.126 108.511,117.549 C18.1@108.511,116.459 C19.1@108.511,113.284 ; v1(111.125,113.538) 111.94,112.723 C14.1@113.538,112.723
  Top Layer w0.508: v1(107.95,127.127) C6.1@107.95,128.979 C6.1@108.204,129.233 ; C6.1@108.204,129.043 111.061,129.043 C5.1@111.125,128.979 111.181,128.923 113.995,128.923 U1.4@114.013,128.905 ; C14.1@113.512,112.75 C14.1@113.538,112.723 C15.1@116.713,112.723 ; U1.4@113.513,128.905 U1.4@114.013,128.905 ; 114.554,136.525 116.078,135.001 116.078,129.667 115.316,128.905 U1.4@114.013,128.905 ; C15.1@116.706,112.361 116.963,112.618 117.968,112.618 118.173,112.413 119.583,112.413 U2.4@119.601,112.395 ; v1(127.762,121.158) 128.524,121.92 128.524,123.06
  Top Layer w1.27: 98.072,146.304 129.667,146.304 133.477,150.114 136.281,150.114 136.398,150.231 ; 136.906,150.114 139.225,150.114 139.342,150.231 146.177,150.231 146.177,150.615 146.692,151.13 v1(149.098,151.13) ; 146.167,150.114 146.304,150.114 ; 146.431,150.114 146.431,149.486 146.946,148.971 v1(149.098,148.971)
  Bottom Layer w1.27: v1(107.95,127.127) 107.95,127.635 110.236,129.921 119.38,129.921 ; v1(111.125,113.538) 112.141,113.538 113.854,115.251 113.854,119.812 ; 113.538,120.396 113.538,120.315 113.854,119.999 113.854,119.812 ; v1(127.762,121.158) 127.762,130.048 125.222,132.588 125.222,135.763 ; 137.668,129.54 144.145,123.063 v1(145.542,123.063) ; v1(143.002,129.794) 142.875,129.921 137.287,129.921 130.112,137.096 126.555,137.096 125.222,135.763 ; v1(149.098,151.13) v1(149.098,148.971) 149.098,126.619 152.527,123.19 152.527,112.649 153.969,111.207 155.366,111.207 155.448,111.125 ; 113.854,119.812 115.887,121.846 115.887,126.428 119.38,129.921 ; 119.38,129.921 125.222,135.763
Vref: C39.2 C45.2 C50.2 C75.2 C76.2 C77.2 C78.2 C79.2 C80.2 C88.2 IC1.8 IC2.5 IC3.8 IC5.8 IC6.1 IC8.5 IC8.6 J21.2 J21.4 J21.6 J21.8 J21.10 J21.12 J21.14 J22.2 J22.4 J22.6 J22.8 J22.10 J22.12 J22.14 R29.2 R72.1 R78.1 R83.1 R115.2 R137.1 R140.1 R144.1 | length 2.7
  Top Layer w0.381: R29.2@99.438,134.493 99.438,134.268 99.848,133.859 99.938,133.859 100.076,133.721 v1(100.076,132.08)
  other v1: 129.794,121.158
pads on no net: DS1.27 DS1.28 DS1.29 DS1.30 DS1.31 IC2.1 IC2.2 IC2.3 IC2.11 IC2.12 IC2.19 IC2.20 IC2.21 IC2.22 IC2.23 IC2.24 IC2.42 IC2.46 J15.1
copper on no net: | length 3.5
  Top Layer w0.381: 28.032,149.504 29.419,149.504 30.042,150.127
  Top Layer w0.508: 114.013,131.445 114.013,132.715

## Polygon pours and split planes (outlines as drawn)
NetJ18_1 on Top Layer "NETJ18_1_L01_P000" (solid, pour order 0): 136.584,121.762 136.525,121.703 136.525,117.094 142.113,117.094 144.018,118.999 144.018,121.793
NetJ5_1 on Top Layer "NETJ5_1_L01_P001" (solid, pour order 1): 136.584,122.332 136.525,122.391 136.525,127 142.113,127 144.018,125.095 144.018,122.301

## Other copper
Multi-Layer:
  text "Pour signal planes with ground, attach to layer 2 and 3 with many, many vias. Route power. /  / Isolate ground routing for DC components. /  / Add input and output fuses, input inductors, pads, input diodes. /  / Stitching vias" at 238.887,96.647 h1.52

## Silkscreen, mask and mechanical layers (free items; w line width, h text height)
Top Overlay:
  lines w0.254: 117.856,111.125 119.888,111.633 ; 71.501,137.033 71.501,149.606 86.36,149.606 86.36,146.304 87.503,146.304 87.503,135.636 83.693,135.636 83.693,137.033 71.501,137.033 ; 77.089,116.967 77.089,134.62 88.392,134.62 93.345,134.62 93.345,132.842 99.568,132.842 99.568,127.381 101.981,127.381 101.981,119.126 101.981,111.379 96.012,111.379 96.012,114.3 85.598,114.427 85.598,116.332 79.883,116.332 79.883,116.967 77.089,116.967